# Allegro board CATALYST_NOZZLE_V1_2601.brd (continued)
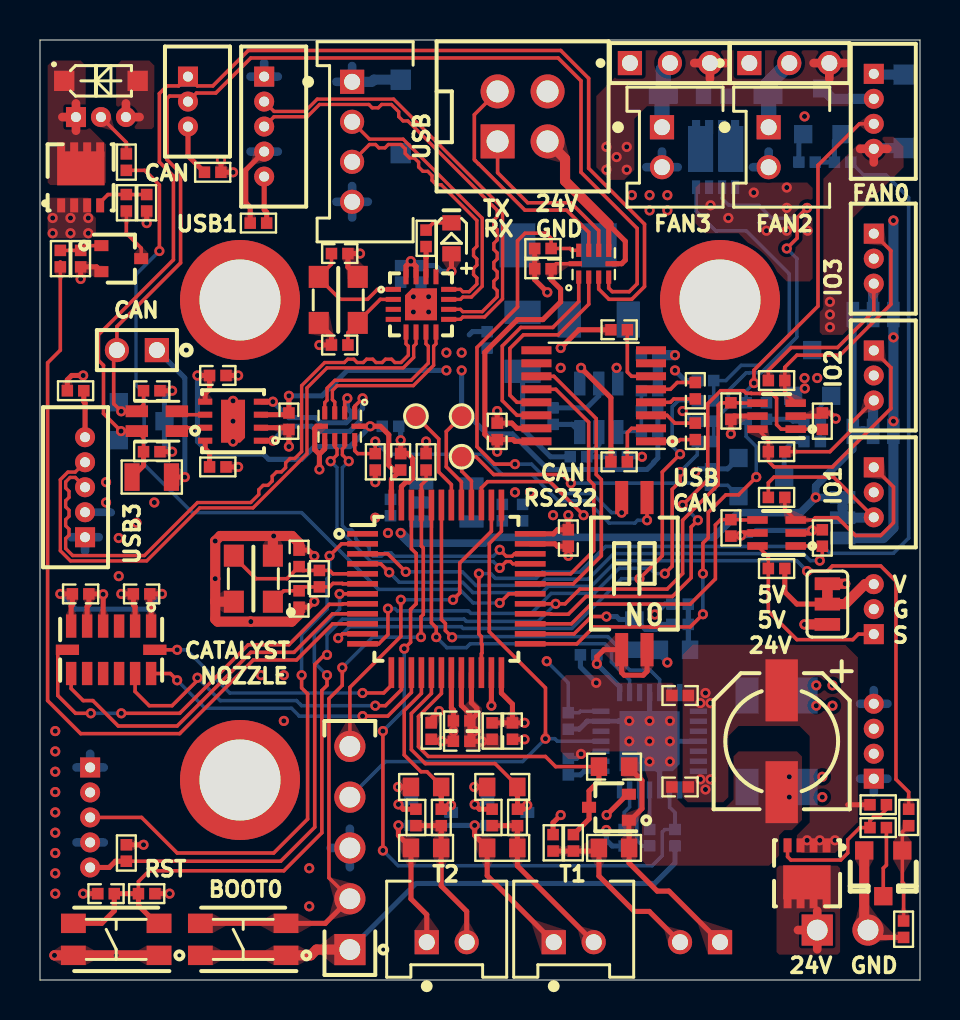
[diagram p0: board, top side]
## Copper pours and planes (outline as drawn; the poured copper is in the pictures) (continued)
24V on BOTTOM: 32.64,13.34 33.4,13.34 33.78,13.72 33.78,14.61 33.66,14.73 33.27,14.73 32.51,13.97 32.51,13.46
24V on BOTTOM: 32.64,10.54 33.4,10.54 33.78,10.16 33.78,9.27 33.66,9.14 33.27,9.14 32.51,9.91 32.51,10.41
24V on BOTTOM: 28.57,29.46 28.7,29.34 29.34,29.34 29.46,29.46 29.46,29.97 30.35,30.86 30.35,32 30.73,32.38 30.73,35.18 30.99,35.43 30.99,35.56 31.37,35.94 31.37,36.07 31.75,36.45 31.75,39.37 31.62,39.5 29.46,39.5 29.34,39.37 29.34,35.18 28.83,34.67 28.83,32.13 28.57,31.88
24V on BOTTOM: 37.21,27.56 38.35,27.56 38.48,27.69 38.48,29.34 39.12,29.97 39.12,30.35 38.99,30.48 37.21,30.48 37.08,30.35 37.08,27.69
24V on ART03: 8.26,38.1 6.99,36.83 0.64,36.83 0.38,37.08 0.38,45.85 1.14,46.61 42.93,46.61 43.69,45.85 43.69,6.1 43.31,5.71 36.58,5.71 36.2,6.1 36.2,8 35.94,8.26 33.53,8.26 32.77,9.02 32.77,16.26 36.2,19.68 36.2,31.11 37.34,32.26 37.34,35.18 36.83,35.69 36.83,36.2 34.92,38.1
GND on TOP: 31.88,14.61 31.88,9.02 32.26,8.64 34.29,8.64 34.67,9.02 34.67,11.18 34.92,11.43 37.85,11.43 38.1,11.18 38.1,8 37.59,7.49 37.21,7.49 36.96,7.24 36.96,6.22 36.45,5.71 30.35,5.71 30.1,5.97 30.1,10.16 30.23,10.29 30.23,11.05 29.84,11.43 27.56,11.43 27.18,11.05 26.42,11.05 26.04,11.43 26.04,14.99 26.29,15.24 28.45,15.24 28.83,14.86 31.62,14.86
GND on TOP: 3.81,45.72 3.81,42.8 4.06,42.55 5.59,42.55 5.71,42.67 5.71,45.72 5.46,45.97 4.06,45.97
GND on TOP: 33.02,39.88 38.35,39.88 38.73,39.5 38.73,35.18 38.48,34.92 37.34,34.92 34.92,37.34 33.27,37.34 32.77,37.85 32.77,39.62
GND on BOTTOM: 16.76,23.75 18.16,23.75 18.41,23.5 24.77,23.5 24.89,23.62 24.89,24.64 24.64,24.89 20.95,24.89 20.32,24.26 18.29,24.26 17.4,25.15 16.76,25.15 16.51,24.89 16.51,24
GND on BOTTOM: 37.34,10.54 39.5,10.54 39.62,10.41 39.62,8.89 39.5,8.76 37.34,8.76 37.21,8.89 37.21,10.41
GND on BOTTOM: 39.5,36.96 39.88,37.34 39.88,40.77 39.24,41.4 39.24,43.31 38.99,43.56 37.72,43.56 37.47,43.31 37.47,42.04 37.08,41.66 37.08,40.13 36.7,39.75 35.18,39.75 34.92,40.01 33.27,40.01 33.02,39.75 33.02,38.35 34.04,37.34 35.56,37.34 35.94,36.96
GND on BOTTOM: 27.05,30.99 27.3,30.73 27.3,29.46 27.18,29.34 25.15,29.34 25.02,29.21 25.02,27.94 24.89,27.81 22.61,27.81 21.84,28.57 21.84,31.75 21.97,31.88 22.86,31.88 23.37,31.37 25.15,31.37 25.4,31.62 25.4,34.16 25.53,34.29 26.92,34.29 27.05,34.16
GND on BOTTOM: 37.59,15.11 39.75,15.11 40.01,14.86 40.01,13.46 39.88,13.34 37.59,13.34
GND on BOTTOM: 0.26,20.7 2.92,20.7 3.56,21.34 3.56,22.61 3.17,22.99 2.03,22.99 1.91,23.11 1.91,24.51 2.54,25.15 5.21,25.15 7.62,22.73 13.34,22.73 14.1,21.97 14.1,18.54 12.7,17.14 12.7,13.97 16.51,10.16 16.51,0.64 16.13,0.26 0.26,0.26
GND on BOTTOM: 19.81,31.88 18.92,30.99 14.99,30.99 13.34,29.34 13.34,27.69 12.57,27.69 11.56,26.67 8.64,26.67 8.26,27.05 8.26,31.11 6.73,32.64 6.73,41.91 7.24,42.42 15.37,42.42 19.81,37.97
GND on ART02: 43.75,46.75 43.75,0.25 0.25,0.25 0.25,46.75
GND on ART03: 13.08,15.62 22.73,15.62 23.62,14.73 23.62,12.57 24,12.19 25.4,12.19 25.65,12.45 25.65,13.84 26.92,15.11 28.32,15.11 28.83,15.62 32.51,15.62 32.64,15.49 32.64,8.38 33.27,7.75 35.31,7.75 35.56,7.49 35.56,5.84 36.2,5.21 43.31,5.21 43.69,4.83 43.69,0.76 43.18,0.26 17.27,0.26 17.14,0.38 17.14,2.41 16.38,3.17 13.34,3.17 13.08,3.43
GND on ART03: 4.32,21.59 4.32,0.26 0.26,0.26 0.26,35.44 0.51,35.69 7.49,35.69 8.89,37.08 16.38,37.08 18.8,34.67 19.68,34.67 19.94,34.42 19.94,32.26 19.68,32 19.68,24.89 18.92,24.13 6.86,24.13
VBUS on BOTTOM: 14.48,43.94 18.8,43.94 19.05,44.2 19.05,46.23 18.92,46.35 6.1,46.35 5.08,45.34 5.08,40.64 3.17,38.73 3.17,34.92 0.51,32.26 0.51,21.46 1.02,20.95 2.79,20.95 3.17,21.34 3.17,22.48 3.05,22.61 1.78,22.61 1.52,22.86 1.52,31.37 4.45,34.29 4.45,38.1 6.35,40.01 6.35,44.32 6.73,44.7 13.72,44.7
VDDA on TOP: 21.21,13.72 21.21,11.68 21.34,11.56 22.86,11.56 22.99,11.68 22.99,12.19 22.86,12.32 22.23,12.32 22.1,12.45 22.1,13.59 21.72,13.97 21.46,13.97
VDDA on ART03: 18.03,7.87 17.65,8.26 17.65,12.32 18.03,12.7 22.1,12.7 22.35,12.45 22.35,10.03 22.86,9.53 31.24,9.53 31.88,10.16 31.88,16.64 30.35,18.16 30.35,18.41 30.61,18.67 30.99,18.67 32.51,17.14 32.51,9.53 30.86,7.87
VSSA on ART02: 18.41,1.27 34.8,1.27 35.05,1.52 35.05,3.56 34.8,3.81 22.86,3.81 22.1,4.57 22.1,9.91 21.59,10.41 21.59,13.46 23.62,15.49 31.62,15.49 31.75,15.62 31.75,16.64 31.24,17.14 23.62,17.14 20.57,14.1 20.57,13.34 20.07,12.83 18.54,12.83 17.53,11.81 17.53,2.16
DC_5V on TOP: 40.39,43.69 40.64,43.94 40.64,46.23 40.39,46.48 30.1,46.48 27.81,44.2 27.81,40.64 28.45,40.01 29.21,40.01 29.72,40.51 29.72,43.05 30.35,43.69
DC_5V on BOTTOM: 19.43,23.24 18.29,23.24 18.03,23.5 16.64,23.5 16.26,23.88 16.26,25.15 16.51,25.4 17.53,25.4 18.41,24.51 19.56,24.51 19.81,24.77 19.81,25.65 19.43,26.04 16.26,26.04 15.49,25.27 15.49,22.61 16.51,21.59 19.43,21.59 19.56,21.72 19.56,23.11
DC_5V on BOTTOM: 22.86,32.13 23.37,32.64 25.02,32.64 25.15,32.77 25.15,37.85 24.89,38.1 22.86,38.1 22.73,37.97 22.73,35.18 22.86,35.05 23.37,35.05 23.5,34.92 23.5,34.54 23.37,34.42 22.61,34.42 22.35,34.67 22.35,38.86 22.99,39.5 28.7,39.5 29.72,40.51 29.72,41.78 29.34,42.16 28.45,42.16 27.18,40.89 19.68,40.89 18.41,42.16 17.4,42.16 17.14,41.91 17.14,41.15 20.95,37.34 20.95,33.66 19.94,32.64 19.94,30.35 20.19,30.1 21.21,30.1 21.46,30.35 21.46,32 21.59,32.13
DC_5V on ART03: 19.94,31.5 19.94,24.38 19.3,23.75 15.49,23.75 15.37,23.62 15.37,22.23 15.75,21.84 19.68,21.84 21.46,23.62 21.46,31.5 21.21,31.75 20.19,31.75
OA1 on BOTTOM: 32.51,12.32 33.4,12.32 33.66,12.06 42.42,12.06 42.55,12.19 42.55,12.83 42.29,13.08 34.54,13.08 34.04,12.57 32.64,12.57 32.51,12.45
OA2 on BOTTOM: 32,13.97 32.26,13.97 33.66,15.37 40.01,15.37 40.26,15.11 40.26,13.59 40.51,13.34 42.16,13.34 42.55,13.72 42.55,15.62 41.66,16.51 33.4,16.51 31.88,14.99 31.88,14.1
OB1 on BOTTOM: 32.51,11.56 33.4,11.56 33.66,11.81 42.42,11.81 42.55,11.68 42.55,11.05 42.29,10.79 34.54,10.79 34.04,11.3 32.64,11.3 32.51,11.43
OB2 on BOTTOM: 32,9.91 32.26,9.91 33.66,8.51 40.01,8.51 40.26,8.76 40.26,10.29 40.51,10.54 42.16,10.54 42.55,10.16 42.55,8.26 41.66,7.37 33.4,7.37 31.88,8.89 31.88,9.78
N439867 on BOTTOM: 32.51,11.05 33.91,11.05 34.42,10.54 36.07,10.54 36.2,10.41 36.2,9.02 35.94,8.76 34.29,8.76 34.04,9.02 34.04,10.16 33.4,10.79 32.64,10.79 32.51,10.92
N440007 on BOTTOM: 32.51,12.83 33.91,12.83 34.42,13.34 36.07,13.34 36.2,13.46 36.2,14.86 35.94,15.11 34.29,15.11 34.04,14.86 34.04,13.72 33.4,13.08 32.64,13.08 32.51,12.95
N689158 on TOP: 43.18,41.66 42.67,42.16 41.27,42.16 39.12,40.01 39.12,33.66 38.99,33.53 38.99,32.38 39.12,32.26 40.13,32.26 40.64,32.77 40.64,38.1 43.18,40.64
N689158 on BOTTOM: 39.75,34.16 39.75,31.11 39.5,30.86 38.23,30.86 37.97,31.11 37.97,31.88 38.48,32.38 38.48,34.04 38.73,34.29 39.62,34.29
N689742 on TOP: 36.96,5.71 39.88,5.71 40.01,5.59 40.01,1.4 39.88,1.27 36.96,1.27 36.83,1.4 36.83,5.59
N770422 on BOTTOM: 33.91,44.7 33.91,43.69 34.04,43.56 34.04,40.64 34.29,40.39 35.18,40.39 35.43,40.13 36.58,40.13 36.96,40.51 36.96,41.53 36.7,41.78 35.81,41.78 35.18,42.42 35.18,44.7 35.05,44.83 34.04,44.83
N772280 on BOTTOM: 28.32,29.34 28.32,32 28.57,32.26 28.57,34.92 28.96,35.31 28.96,37.85 28.83,37.97 26.92,37.97 26.67,37.72 26.67,35.18 27.3,34.54 27.3,31.11 27.56,30.86 27.56,29.46 27.69,29.34
N778463 on TOP: 2.29,45.72 2.29,42.8 3.3,41.78 3.3,39.88 3.17,39.75 0.51,39.75 0.38,39.88 0.38,45.72 0.64,45.97 2.03,45.97
N788507 on BOTTOM: 33.66,44.7 33.66,43.69 33.53,43.56 33.53,40.64 33.27,40.39 32.38,40.39 31.88,39.88 30.73,39.88 30.1,40.51 30.1,41.53 30.35,41.78 31.75,41.78 32.38,42.42 32.38,44.7 32.51,44.83 33.53,44.83

Small or netless copper shapes (teardrops, artwork), in the pictures only: 251 on TOP, 92 on BOTTOM, 5 on ART03

## Text on the board
Ref Des/Silkscreen Bottom: SHG | G | V | TOUCH | FAN1 | DP | DM | S | Z-MIN | CH | CL | GND | 5V | BOOT0 | 3V3 | V1.0 | CATALYST_NOZZLE | CLK | DIO | TX | RX | 24V | T0 | 24 | 5 | HEAT | FILAMENT | E
Ref Des/Silkscreen Top: CAN | RST | USB1 | CATALYST | NOZZLE | BOOT0 | T2 | TX | RX | RS232 | 24V | GND | T1 | FAN3 | USB | FAN2 | 5V | FAN0 | V | G | S | USB3 | IO3 | IO2 | IO1
User.45: FIGURE | FINISHED_SIZE | 10.0 | 19.7 | 31.5 | 40.9 | 43.3 | 159.4 | DRILL CHART: TOP to BOTTOM | ALL UNITS ARE IN MILS | PLATED | QTY | 241 | 41 | 22 | 7 | 4 | 3
